# Altium PCB OCB Development Board.PcbDoc (part 2 of 2)
Units mil, origin at the board's own origin, x right, y up, seen from the top; angles counter-clockwise.
Board outline 3775 x 3550 mil, 4 copper layers (Top Layer, GND, Power, Bottom Layer), stack 23.712 mil thick; 152 components, 139 nets, 797 pads, 557 vias.
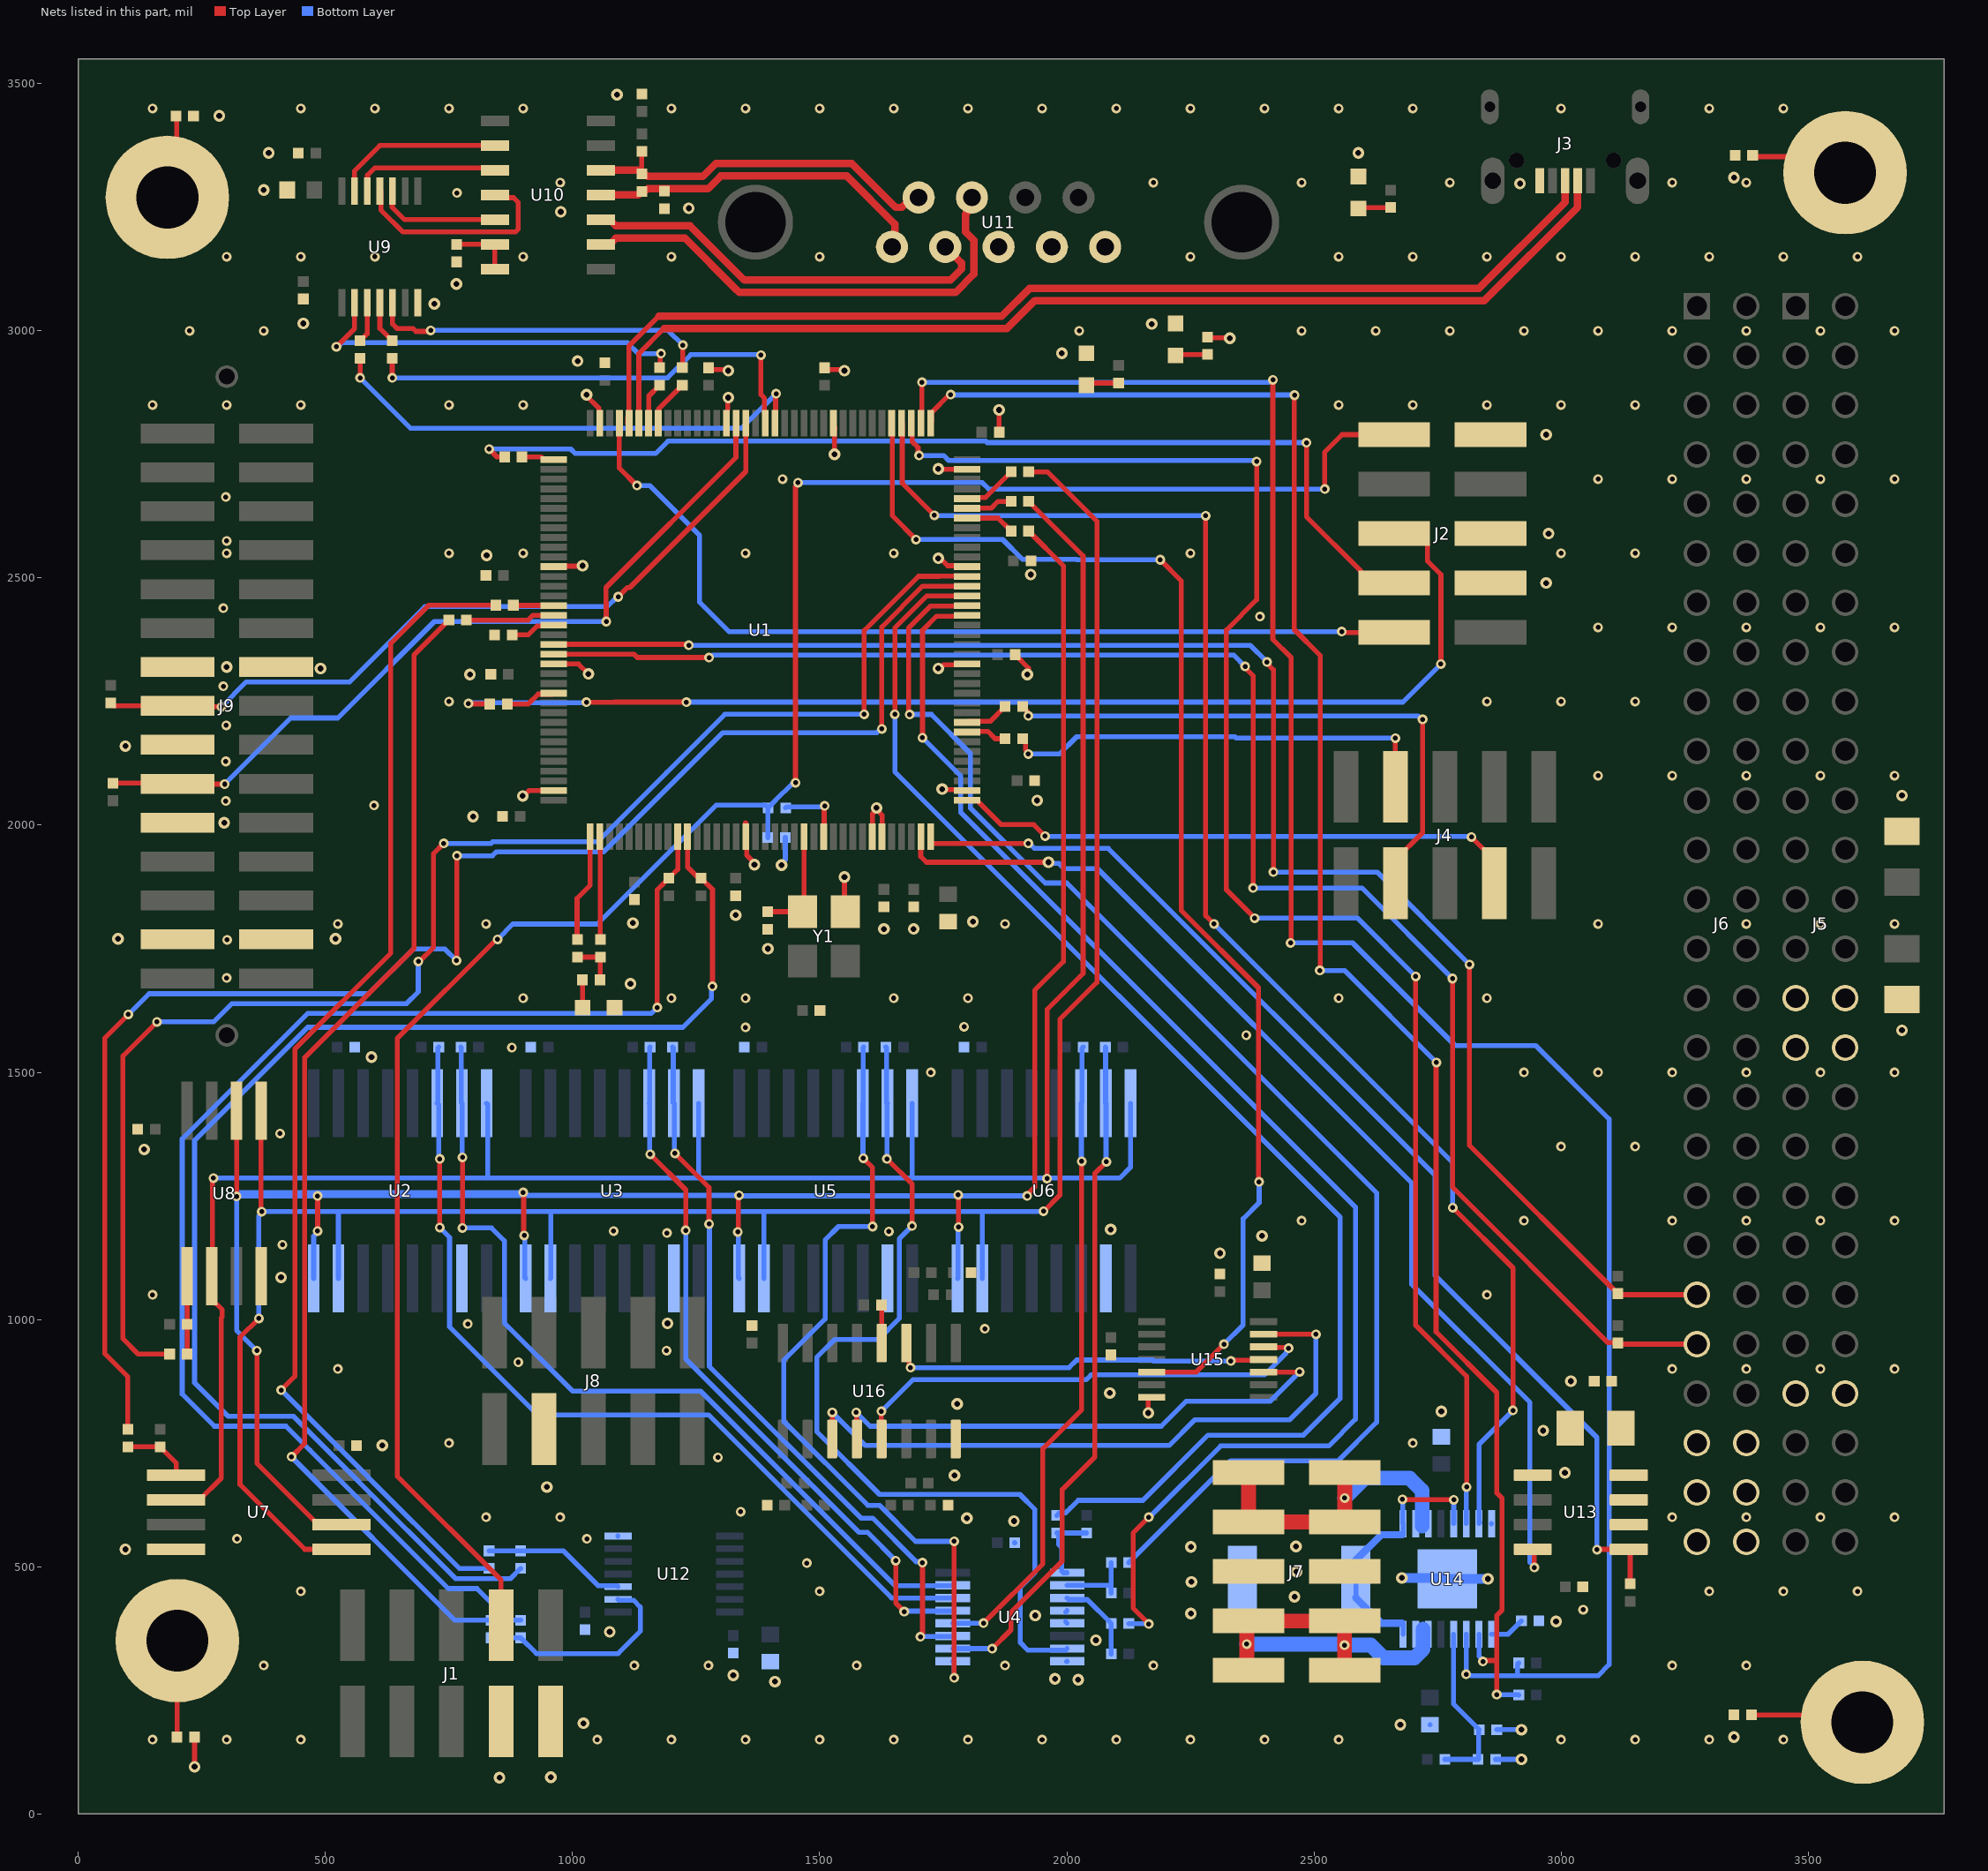
[diagram p4: the nets of this part, all layers, seen from the top]

## Via types
v1: diameter 19.68, hole 9.84, Top Layer to Bottom Layer, tented both sides, 388 vias
v2: diameter 23.62, hole 11.81, Top Layer to Bottom Layer, tented both sides, 165 vias
v3: diameter 19.68, hole 9.84, Top Layer to Bottom Layer, tented top, 3 vias
v4: diameter 19.68, hole 9.84, Top Layer to Bottom Layer, 1 vias

## Nets (pads, with @x,y where several pads share a name; then routed paths per layer and width w, separated by ;. In a path a pad name is that pad's centre, name@x,y a point inside that pad or via, vN(x,y) a via of type N, cw(c..) or ccw(c..) an arc to the next point about the centre after c; other vN are vias at no path point) (continued)
ENCODER_RS422_EN: U1.77 U15.5 | length 2615.9
  Top Layer w10: U1.77@1647,2794 1647,2626 v1(1695,2578) ; U15.5@2171.81,893.41 2261.41,893.41 v1(2318,950) ; v1(2189,2537) 2232,2494 2232,1827 2388,1671 2388,1279.51 v1(2389.19,1278.32)
  Bottom Layer w10: v1(1695,2578) 1870,2578 1910,2538 2019.12,2538 2020.12,2537 v1(2189,2537) ; v1(2318,950) 2356.81,988.81 2356.81,1203.81 2389.19,1236.19 v1(2389.19,1278.32)
GND: C1.1 C2.1 C3.1 C4.1 C5.1 C6.1 C7.1 C8.1 C9.1 C10.1 C11.2 C12.2 C13.2 C14.1 C15.1 C16.1 C17.1 C18.1 C19.1 C20.1 C21.2 C22.2 C23.2 C24.2 C25.2 C26.2 C27.2 C28.2 C29.2 C30.2 C31.1 C32.2 C33.2 C34.1 C36.2 C37.2 C38.2 C39.2 C40.2 C41.2 C42.1 C43.2 C44.2 C45.1 C46.2 D1.C D3.C D4.C D5.C J1.02 J1.04 J2.03 J2.05 J2.09 J3.5 J5.29 J5.30 J5.31 J5.32 J7.05 J7.06 J8.03 J9.13 J9.14 J9.17 J9.21 J9.27 J9.28 R4.1 R5.1 R6.1 R7.1 R11.1 R15.1 R18.1 R23.1 R131.1 R138.2 R142.1 U1.17 U1.30 U1.31 U1.38 U1.51 U1.61 U1.71 U1.83 U1.94 U1.107 U1.120 U1.130 U1.143 U2.10 U3.10 U4.4 U4.5 U4.8 U5.10 U6.10 U7.4 U8.4 U9.7 U11.3 U11.5 U12.7 U13.1 U14.8 U14.EPAD U15.7 U16.8 Y1.2 | length 1481.6
  Top Layer w10: J9.17@197.87,2160 J9.17@200.39,2162.52 ; J9.27@199.21,1770 J9.27@200.39,1768.82 ; J9.21@200.39,2005.04 J9.21@200.39,2005.04 ; v2(235,95) R6.1@235,155 ; U8.4@370,1087.68 U8.4@372.68,1085 ; J9.28@400,1768.82 J9.28@401.18,1770 ; J9.14@400,2320 405,2315 J9.14@406.81,2316.81 ; C16.1@824.57,2505 C16.1@824.78,2505.22 ; C18.1@857.78,2017.5 C18.1@858.28,2018 ; v2(899,2059) 900.73,2059 911.67,2069.94 934,2069.94 ; U1.120@961.69,2522.95 962.72,2523.98 1018.98,2523.98 v2(1020,2525) ; U1.130@983,2326 1012,2326 v2(1032,2306) ; v2(1028,2871) 1028,2868.43 1053.31,2843.12 1053.31,2815.2 U1.107@1055.2,2813.31 ; C15.1@1064.78,2935.22 C15.1@1065,2935.43 ; v2(1090,3478) v2@1090.72,3478.72 ; C32.2@1139.28,3478.72 C32.2@1140,3479.43 ; C14.1@1275,2925.43 1278.38,2922.06 1312.39,2922.06 v2(1315,2919.45) ; 1313.9,2840 1313.9,2863.9 v2(1315,2865) ; 1350,2005 1350,1998.27 1352.36,1995.91 1352.36,1939.32 1368,1923.69 v2(1368,1920) ; C20.1@1500.22,1624.78 C20.1@1500.43,1625 ; C10.1@1510,2925.43 1513.38,2922.06 1547.39,2922.06 v2(1550,2919.45) ; v2(1530,2750.19) 1530,2800 1530.43,2800.43 U1.83@1530.43,2805 ; v2(1550,1895) 1550,1826.61 Y1.2@1551.61,1825 ; U1.30@1606.38,1976.69 1606.38,2022.69 v2@1615,2031.31 ; v2(1615,2035) v2@1615,2031.31 ; U1.31@1626.06,1976.69 1626.06,2020.25 v2@1615,2031.31 ; v2(1740,2317.03) 1743.69,2317.03 1751.37,2324.71 1769,2324.71 ; v2(1740,2540) 1743.69,2540 1758.84,2524.84 1796.42,2524.84 U1.61@1798.31,2522.95 ; v2(1740,2720.81) 1740,2720 1770,2720 ; v2(1747.96,2072.96) 1749.34,2071.58 1776.73,2071.58 1778.21,2070.1 U1.38@1794.78,2070.1 ; C2.1@1760,1804.88 C2.1@1760.12,1805 ; v2(1863,2840) 1863.22,2839.78 1863.22,2795.22 C9.1@1863.43,2795 ; C7.1@1895.43,2345 1922.39,2318.04 1922.39,2307.2 v2(1920.19,2305) ; C8.1@1927.72,2535 C8.1@1927.86,2534.86 ; v2(2165,810.81) 2165,840.34 2166.89,842.23 U15.7@2171.81,842.23 ; D5.C@2220,3015 D5.C@2230,3025 ; D4.C@2590,3312.48 D4.C@2600.75,3323.23 ; J3.5@2957.24,3286.93 J3.5@2957.24,3303.66 ; C37.2@3018.82,780 C37.2@3018.82,787.87 ; C36.2@3044,459 C36.2@3044.5,458.5 ; v1@3044.5,413.5 v1(3045,413) ; v2(3350,3310) v2@3351.14,3311.14 ; R5.1@3351.14,3353.86 R5.1@3352.28,3355
  Bottom Layer w10: v2@948,658 v2(948,661) ; U12.7@1091.7,561.89 U12.7@1091.81,561.77 ; v2(1409.47,267.23) v2@1409.47,269.91 ; v2(1423,1919) 1423,1922.69 1430.43,1930.12 C19.1@1430.43,1975 ; C24.2@1894.45,548.26 C24.2@1894.72,548 ; U4.5@1997.48,388.47 U4.5@2000.75,385.2 ; U4.4@1997.48,407.53 U4.4@2000.75,410.8 ; U4.8@2000,307.69 U4.8@2000.75,308.43 ; C40.2@2734.88,180 C40.2@2735,179.88 ; U14.EPAD@2768,477 U14.EPAD@2770,475 ; U14.8@2859.28,586.72 U14.8@2859.57,587 ; R138.2@2867.72,110 v2(2920,110) ; C41.2@2870,170 v2(2920,170)
  Bottom Layer w20: v2(2678,477) U14.EPAD@2768,477 ; U14.EPAD@2770,475 v2(2852,475)
  other v1: 150,150 300,150 450,150 1050,150 1200,150 1350,150 1500,150 1650,150 1800,150 1950,150 2100,150 2250,150 2400,150 2550,150 3000,150 3150,150 3300,150 3450,150 375,300 1125,300 1275,300 1575,300 1875,300 2175,300 3225,300 3375,300 450,450 1500,450 3300,450 3450,450 3600,450 1474,507 321,556 1029,556 825,600 975,600 3225,600 3375,600 3525,600 3675,600 1340,611 1294,721 750,750 2700,750 525,900 3225,900 3375,900 3525,900 3675,900 889.98,913.46 1190,937 1834,981 788,991 150,1050 2850,1050 413,1151 1191,1175 1640,1178 1083,1179 2475,1200 2925,1200 3225,1200 3375,1200 3525,1200 3675,1200 3000,1350 3150,1350 408,1376 1725,1500 2925,1500 3075,1500 3225,1500 3375,1500 3525,1500 3675,1500 877,1550 2363,1575 1350,1591 1792,1592 900,1650 1200,1650 1350,1650 1650,1650 1800,1650 2550,1650 2850,1650 300,1691 301,1768 525,1800 825,1800 1875,1800 3075,1800 3375,1800 3525,1800 3675,1800 598,2040 298,2049 3075,2100 3225,2100 3375,2100 3525,2100 3675,2100 298,2129 299,2202 750,2250 2850,2250 3000,2250 3150,2250 293,2281 3075,2400 3225,2400 3375,2400 3525,2400 3675,2400 2390.98,2422.03 293,2439 300,2550 750,2550 900,2550 1350,2550 1650,2550 2250,2550 3000,2550 3150,2550 300,2575 298,2664 1425,2700 3075,2700 3225,2700 3375,2700 3525,2700 3675,2700 150,2850 300,2850 450,2850 750,2850 900,2850 2550,2850 2700,2850 2850,2850 3000,2850 3150,2850 225,3000 375,3000 2025,3000 2475,3000 2625,3000 2775,3000 2925,3000 3075,3000 3225,3000 3375,3000 3525,3000 3675,3000 300,3150 450,3150 600,3150 900,3150 1200,3150 1500,3150 2250,3150 2550,3150 2700,3150 2850,3150 3000,3150 3150,3150 3300,3150 3450,3150 3600,3150 766,3279 975,3300 2175,3300 2475,3300 2775,3300 3225,3300 3375,3300 150,3450 450,3450 600,3450 750,3450 900,3450 1200,3450 1350,3450 1500,3450 1650,3450 1800,3450 1950,3450 2100,3450 2250,3450 2400,3450 2550,3450 2700,3450 3000,3450 3300,3450 3450,3450
  other v2: 852,73 955.78,73.88 3350,155 2675,180 1022,183 2023,271 1976,273 1325,280 2059,351 1075,368 2990,389 1936,401 2251,405 2460.85,439.13 2252,469 2465,490 95,535 2251,540 2463.78,540.88 1893,592 1797.78,597.88 1772.86,684.36 3008,690 615,745 2964,775 2758,814 1778,829 2087,851.19 3020,875 1192,992 410,1085 2310,1134 2395,1169 2089,1182 133,1344 593,1531 3690,1585 1117,1679 1395,1750 80,1770 520,1770 1630,1790 1690,1790 1122,1802 1810,1805 1330,1818 295,2005 798.5,2017.5 1940,2050 3690,2060 95,2160 792.28,2305 490,2316.81 300,2320 2970,2490 1927,2507 826,2546 2975,2590 2970,2790 1010,2939 1990,2955 2172,3014 455,3015 720,3055 765,3095 976,3241 1235,3248 375,3285 2917,3298 385,3360 2590,3360 285,3435
GPS_3V3: C37.1 C38.1 J6.47 J6.48 U13.6 U13.7 U13.8
GPS_PPS: J4.07 U1.37 | length 1145.2
  Top Layer w10: U1.37@1817.43,2051.07 1867.5,2001 1933,2001 v1(1956,1978) ; v1(2819,1976) 2865,1930 J4.07@2865,1882.56
  Bottom Layer w10: v1(1956,1978) 1957,1977 2818,1977 v1(2819,1976)
GPS_PWR_NEN: U1.35 U13.4 | length 2200.5
  Top Layer w10: U1.35@1704.49,1950.87 1704.49,1936.51 1716,1925 v2(1963,1925) ; U13.4@2942.76,535 2946,531.76 v1(2946,498)
  Bottom Layer w10: v2(1963,1925) 1965.61,1922.39 1984.42,1922.39 1994.81,1912 2062,1912 2698,1276 2698,1071 2937.11,831.89 2937.11,508.7 2946,499.81 v1(2946,498)
GPS_PWR_NOC: R137.2 U1.36 U13.5 | length 2340.5
  Top Layer w10: U1.36@1724.49,1976.69 1724.49,1964.89 1726.38,1963 v1(1922,1963) ; v1(3072.73,534.27) 3073.46,535 U13.5@3137.24,535 3140,532.24 R137.2@3140,465
  Bottom Layer w10: v1(1922,1963) 1924.62,1963 1934.67,1952.95 2084.05,1952.95 2745,1292 2745,1089 3072.73,761.27 v1(3072.73,534.27)
I2C1_SCL: J6.43 R91.1 U1.129 | length 3381.4
  Top Layer w10: U1.129@974.72,2346 1123.98,2346 1130.82,2339.16 v1(1276,2339.16) ; v1(2361,2321) 2361,2318.38 2377,2302.38 v1(2377,1873) ; v1(2780.43,1689.72) 2780.43,1267.57 3095.03,952.97 3114.31,952.97 R91.1@3115,952.28 ; R91.1@3115.43,950 J6.43@3275,950
  Bottom Layer w10: v1(1276,2339.16) 1278.62,2339.16 1283.31,2343.84 1728.89,2343.84 2338.16,2343.84 v1(2361,2321) ; v1(2377,1873) 2597.15,1873 v1(2780.43,1689.72)
I2C1_SDA: J6.41 R92.2 U1.128 | length 3313
  Top Layer w10: U1.128@961.69,2365.47 962.22,2366 1230.38,2366 1232.38,2364 v1(1235,2364) ; v1(2405,2330) 2405,2327.38 2418,2314.38 v1(2418,1905) ; v1(2815,1718) 2815,1351.92 3101.24,1065.68 3101.61,1065.68 R92.2@3115,1052.28 ; R92.2@3115.43,1050 J6.41@3275,1050
  Bottom Layer w10: v1(1235,2364) 2371,2364 v1(2405,2330) ; v1(2418,1905) 2628,1905 v1(2815,1718)
I2C2_SCL: R19.2 R148.2 U1.11 | length 2808.8
  Top Layer w10: 1232.68,1950 1232.68,1915.04 R19.2@1255,1892.72 ; R19.2@1260,1892.72 1273.39,1879.32 1273.76,1879.32 1283,1870.08 v1(1283,1674)
  Bottom Layer w10: R148.2@895,496.28 874.17,475.46 763.34,475.46 567.19,671.61 567.19,671.94 435.13,804 303,804 235,872 235,1362 464,1591 1223,1591 1281.16,1649.16 1281.16,1672.16 v1(1283,1674)
I2C2_SDA: R20.1 R145.2 U1.10 | length 2825.1
  Top Layer w10: v1(1171.27,1631.19) 1171.27,1869.34 1181.24,1879.32 1181.61,1879.32 R20.1@1195,1892.72 1212.68,1910.39 U1.10@1212.68,1976.69
  Bottom Layer w10: R145.2@895,391.28 870.8,391.28 806.62,455.46 748.54,455.46 468,736 420,784 275,784 210,849 210,1365.28 463.72,1619 1159.07,1619 v1(1171.27,1631.19)
I2C3_SCL: J9.15 R96.1 U1.92 | length 1583.8
  Top Layer w10: R96.1@65,2247.28 71.02,2241.26 J9.15@200.39,2241.26 202.33,2239.33 v1(289.09,2239.33) ; v1(1092.25,2462) 1110.98,2480.73 1115.73,2480.73 1350.47,2715.47 U1.92@1350.47,2813.31
  Bottom Layer w10: v1(289.09,2239.33) 339.76,2290 549,2290 701,2442 1070.05,2442 1090.05,2462 v1(1092.25,2462)
I2C3_SDA: J9.19 R97.2 U1.93 | length 1617.3
  Top Layer w10: R97.2@70,2085 199.17,2085 J9.19@200.39,2083.78 201.17,2083 v1(296,2083) ; v1(1068,2412) 1068,2448.29 1067.41,2448.88 1067.41,2480.7 1330.47,2743.76 1330.47,2785
  Bottom Layer w10: v1(296,2083) 429.87,2216.87 525,2216.87 720.13,2412 v1(1068,2412)
MOTOR_1: J7.01 J7.02 J7.03 J7.04 U14.2 U14.3 | length 650.6
  Top Layer w30: J7.01@2367.56,690 J7.03@2367.56,590 J7.04@2562.44,590 2562.32,590.12 v1(2562.32,638.74) ; v1@2562.44,638.74 J7.02@2562.44,690
  Bottom Layer w30: v1(2562.32,638.74) 2602.59,679 2694,679 2719,654 2719,582
MOTOR_2: J7.07 J7.08 J7.09 J7.10 U14.14 U14.15 | length 811.2
  Top Layer w30: J7.09@2367.56,290 2364,293.56 v1(2364,343) 2364,386.44 J7.07@2367.56,390 J7.08@2562.44,390 2562,389.56 v1(2562,341) 2562,290.44 J7.10@2562.44,290
  Bottom Layer w30: v1(2364,343) v1@2560,343 ; v1(2562,341) 2615,341 2640.56,315.44 2703.43,315.44 2721,333.01 2721,373.17
MOTOR_DIR: U1.76 U14.7 | length 3091.2
  Top Layer w10: U1.76@1665.43,2813.31 1667,2811.74 1667,2692 v1(1732,2627) ; v1(2281,2626) 2281,1817 v1(2298,1800) ; v1(2781,1226) 2903,1104 v1(2903,816)
  Bottom Layer w10: v1(1732,2627) 1732.5,2626.5 2280.5,2626.5 v1(2281,2626) ; v1(2298,1800) 2781,1317 v1(2781,1226) ; U14.7@2835.87,588.89 U14.7@2833.98,587 2833.98,746.98 v1(2903,816)
MOTOR_NEN: R140.2 U1.74 U14.11 | length 4232.7
  Top Layer w10: U1.74@1703,2836 1707,2840 v1(1707,2896) ; v1(2417,2901) 2417,2376 2454,2339 2454,1763 v1(2453,1762)
  Bottom Layer w10: v1(1707,2896) 2409.38,2896 2414.38,2901 v1(2417,2901) ; v1(2453,1762) 2578,1762 2786,1554 2949,1554 3097.57,1405.43 3097.57,301.57 3075,279 2912,279 ; v1(2808,282) 2809.85,280.15 2816.7,280.15 2817.85,279 2912,279 ; v1@2808.19,282.19 2808.19,362.81 U14.11@2808.39,363 ; R140.2@2914.57,305 2912,302.43 2912,279
MOTOR_NFAULT: R141.2 U1.73 U14.10 | length 3744.5
  Top Layer w10: U1.73@1724.49,2813.31 1726.38,2815.2 1726.38,2834.88 1762.5,2871 v1(1765,2871) ; v1(2461,2870) 2460.16,2869.16 2460.16,2395.84 2513,2343 2513,1707 v1(2512,1706) ; v1(2748,1520) 2747.32,1519.32 2747.32,974.92 2870,852.24 2870,649 2880.81,638.19 2880.81,411.81 2870,401 2870,313 ; v1(2842,308) 2843.84,309.84 2866.84,309.84 2870,313 ; v1(2870,241) 2870,313
  Bottom Layer w10: v1(1765,2871) 1765.5,2870.5 2460.5,2870.5 v1(2461,2870) ; v1(2512,1706) 2562,1706 v1(2748,1520) ; U14.10@2833.98,363 2833.98,318.64 2842,310.62 v1(2842,308) ; v1(2870,241) 2870.5,240.5 2914.07,240.5 R141.2@2914.57,240
MOTOR_PWM: U1.75 U14.6 | length 3229.6
  Top Layer w10: 1687,2786 1687,2776 1699.15,2763.85 1699.15,2749.85 v1(1701,2748) ; v1(2380,1812) 2322.84,1869.16 2322.84,2394.84 2384,2456 v1(2384,2736) ; v1(2706,1694) 2706,987.95 2809,884.95 v1(2809,661)
  Bottom Layer w10: v1(1701,2748) 1750.8,2748 1760.96,2737.84 2382.16,2737.84 v1(2384,2736) ; v1(2380,1812) 2588,1812 v1(2706,1694) ; U14.6@2808.39,587 2808.39,660.39 v1(2809,661)
MPI_RX_N: R11.2 R130.1 U10.11 U11.9 | length 699.8
  Top Layer w15: U10.11@1057.25,3275 1132.72,3275 R130.1@1140,3282.28 1143.33,3285.61 1149.98,3285.61 1151.87,3287.5 1185,3287.5 1273.86,3287.5 1299.86,3313.5 1554.87,3313.5 1652.15,3216.21 1652.15,3175.97 U11.9@1646.18,3170
MPI_RX_NEN: R46.2 U9.3 | length 82.8
  Top Layer w10: R46.2@570,2980 584.41,2994.41 U9.3@584.41,3056.81
MPI_RX_P: R8.1 R130.2 U10.12 U11.8 | length 749.2
  Top Layer w10: R130.2@1140,3317.72 R8.1@1140,3363
  Top Layer w15: U10.12@1057.25,3325 1132.72,3325 R130.2@1140,3317.72 1143.33,3314.39 1149.98,3314.39 1151.87,3312.5 1263.51,3312.5 1289.51,3338.5 1565.22,3338.5 1653.9,3249.82 1666.4,3249.82 1686.59,3270 U11.8@1700.12,3270
MPI_TX_EN: R43.2 U9.4 | length 87.2
  Top Layer w10: U9.4@610,3056.81 610,3005 R43.2@635,2980
MPI_TX_N: U10.10 U11.7 | length 848.8
  Top Layer w15: U10.10@1057.25,3225 1075.5,3225 1078.5,3222 1078.5,3221.29 1087.29,3212.5 1237.86,3212.5 1347.68,3102.68 1764.51,3102.68 1786.93,3125.09 1786.93,3137.52 1754.45,3170 U11.7@1754.06,3170
MPI_TX_P: U10.9 U11.6 | length 989
  Top Layer w15: U10.9@1057.25,3175 1075.5,3175 1078.5,3178 1078.5,3178.71 1087.29,3187.5 1227.5,3187.5 1330,3085 1337.32,3077.68 1774.87,3077.68 1811.93,3114.74 1811.93,3183.46 1794.77,3200.62 1794.77,3236.21 1798.43,3239.87 1798.43,3260.43 U11.6@1807.99,3270
Net*1_1: *1.1 R4.2 | length 186.1
  Top Layer w10: R4.2@197.28,3435 198.64,3433.64 198.64,3251.36 *1.1@200,3250
Net*2_1: *2.1 R5.2 | length 189.4
  Top Layer w10: R5.2@3387.72,3355 3390.22,3352.5 3572.5,3352.5 *2.1@3575,3350
Net*3_1: *3.1 R6.2 | length 195.2
  Top Layer w10: R6.2@199.57,155 199.78,155.22 199.78,349.78 *3.1@200,350
Net*4_1: *4.1 R7.2 | length 189.6
  Top Layer w10: R7.2@3385.43,200 *4.1@3575,200
NetC41_1: C41.1 R138.1 R139.1 U14.12 | length 342.7
  Bottom Layer w10: R139.1@2765,110 R138.1@2832.28,110 2833.43,111.14 2833.43,168.86 C41.1@2834.57,170 2782.8,221.77 U14.12@2782.8,363
NetC42_2: C42.2 U14.9 | length 71.6
  Bottom Layer w10: U14.9@2859.57,363 2893,363 C42.2@2920,390
NetD1_A: D1.A R1.2 | length 56
  Top Layer w10: R1.2@1020,1687 D1.A@1020.04,1631 D1.A@1020.04,1631
NetD3_A: D3.A R134.2 | length 66.9
  Top Layer w10: D3.A@2040,2890.04 2044.53,2894.57 R134.2@2105,2894.57
NetD4_A: D4.A R135.2 | length 65.8
  Top Layer w10: D4.A@2590,3247.52 2592.05,3249.57 R135.2@2655,3249.57
NetD5_A: D5.A R136.1 | length 65.9
  Top Layer w10: D5.A@2220,2950.04 2222.24,2952.28 R136.1@2285,2952.28
NetR1_1: R1.1 R2.1 R3.1 | length 92.2
  Top Layer w10: R2.1@1010,1733 R3.1@1056,1733 1055.72,1732.72 1055.72,1687.28 R1.1@1055.43,1687
NetR2_2: R2.2 U1.1 | length 233
  Top Layer w10: R2.2@1010,1768.43 1009,1769.43 1009,1852 1035.51,1878.51 U1.1@1035.51,1976.69 ; U1.1@1035.2,1956.69 U1.1@1035.2,1970
NetR3_2: R3.2 U1.2 | length 186.6
  Top Layer w10: R3.2@1056,1768.43 U1.2@1056,1955
NetR9_2: R9.2 U1.68 | length 111.4
  Top Layer w10: U1.68@1798.31,2660.75 1800.2,2662.64 1834.92,2662.64 R9.2@1887.28,2715
NetR10_2: R10.2 U1.67 | length 73.4
  Top Layer w10: U1.67@1820,2642.64 1821.26,2641.38 1847.11,2641.38 1860.73,2655 R10.2@1887.28,2655
NetR12_2: R12.2 U1.66 | length 99.9
  Top Layer w10: U1.66@1798.31,2621.38 1860.91,2621.38 R12.2@1887.28,2595
NetR22_1: R22.1 U1.60 | length 3016.4
  Top Layer w10: v1(159,1602) 90,1533 90,961 121,930 R22.1@184.57,930 ; v1(687.66,1724.51) 690.28,1724.51 718.58,1752.8 718.58,1942.58 v1(739,1963) ; v1(1590,2224.16) 1590,2393.85 1699.73,2503.58 1741.31,2503.58 1741.73,2504 U1.60@1778,2504
  Bottom Layer w10: v1(159,1602) 273.69,1602 310.69,1639 663.98,1639 687.66,1662.68 v1(687.66,1724.51) ; v1(739,1963) 834.45,1963 837.72,1966.27 1050.27,1966.27 1190.14,2106.14 1308.16,2224.16 v1(1590,2224.16)
NetR24_1: R24.1 U1.59 | length 3198.9
  Top Layer w10: R24.1@100,777.72 100,884 53,931 53,1569 v1(101,1617) ; v1(765,1726) 765.5,1726.5 765.5,1937.66 v1(766,1938.16) ; v1(1625.6,2194.65) 1625.6,2401.17 1708.01,2483.58 U1.59@1798.31,2483.58
  Bottom Layer w10: v1(101,1617) 143,1659 587.02,1659 677.37,1749.35 741.65,1749.35 v1(765,1726) ; v1(766,1938.16) 837.89,1938.16 846,1946.27 1062.98,1946.27 1303.72,2187 1615.34,2187 1622.98,2194.65 v1(1625.6,2194.65)
NetR26_1: R26.1 U1.58 | length 2752
  Top Layer w10: v1(1652,2224.16) 1652,2399.28 1716.3,2463.58 U1.58@1773.9,2463.58
  Bottom Layer w10: v1(1652,2224.16) 1652,2108 2553,1207 2553,840 2479,766 2286,766 2154,634 2023,634 2008,619 1997.65,608.65 1985.22,608.65 R26.1@1980,603.43
NetR27_1: R27.1 U1.57 | length 2806.7
  Top Layer w10: v1(1682,2224) 1680.15,2225.85 1680.15,2232.7 1680,2232.85 1680,2399 1724.58,2443.58 1797.68,2443.58 U1.57@1798.31,2444.21
  Bottom Layer w10: v1(1682,2224) 1726,2224 1805,2145 1805,2034.57 1956.57,1883 2000,1883 2627,1256 2627,792 2549,714 2331.43,714 R27.1@2125.43,508
NetR28_1: R28.1 U1.56 | length 2821.2
  Top Layer w10: v1(1708,2177) 1708,2394.14 1736.86,2423 U1.56@1774.86,2423 ; v1(2166,384) 2134,416 2134,568 v1(2166,600)
  Bottom Layer w10: v1(1708,2177) 1785,2100 1785,2026.28 2584,1227.28 2584,798 2530,744 2311.35,744 2167.35,600 v1(2166,600) ; R28.1@2125.43,384.67 2125.77,384.33 2165.67,384.33 v1(2166,384)
NetR40_2: R40.2 U1.25 | length 143.8
  Top Layer w10: U1.25@1507.95,1976.69 1508.98,1977.72 1508.98,2037.98 v1(1510,2039)
  Bottom Layer w10: R40.2@1431,2035 1433.15,2037.15 1508.15,2037.15 v1(1510,2039)
NetR43_1: R43.1 U1.90 | length 927.3
  Top Layer w10: v1(635,2905) R43.1@635,2944.57 ; v1(1381,2951) 1381,2871 1388,2864 U1.90@1388,2832
  Bottom Layer w10: v1(635,2905) 1192.13,2905 1239.13,2952 1380,2952 v1(1381,2951)
NetR46_1: R46.1 U1.89 | length 1013.4
  Top Layer w10: v1(570,2905) R46.1@570,2944.57 ; U1.89@1409.53,2813.31 1410.76,2814.54 1410.76,2871.76 v1(1412,2873)
  Bottom Layer w10: v1(570,2905) 671.81,2803.19 1342.19,2803.19 v1(1412,2873)
NetR48_2: R48.2 U1.45 | length 90
  Top Layer w10: U1.45@1798.31,2207.99 1800.2,2209.88 1834.88,2209.88 1835,2210 1845,2210 R48.2@1875,2240
NetR50_2: R50.2 U1.44 | length 56.2
  Top Layer w10: 1825,2189.88 1840.12,2189.88 1855,2175 R50.2@1875,2175
NetR78_1: R78.1 U1.133 | length 103.1
  Top Layer w10: R78.1@867.72,2245 910,2245 930.16,2265.16 959.8,2265.16 U1.133@961.69,2267.05
NetR90_2: R90.2 U1.126 | length 92.2
  Top Layer w10: R90.2@877.72,2385 910,2385 927.95,2402.95 959.8,2402.95 U1.126@961.69,2404.84
NetR93_2: R93.2 U1.125 | length 154
  Top Layer w10: R93.2@785,2415 910,2415 919.61,2424.61 935,2424.61
NetR94_2: R94.2 U1.124 | length 82
  Top Layer w10: R94.2@880,2445 880.39,2444.61 961.3,2444.61 U1.124@961.69,2444.21
NetR107_1: R107.1 U1.101 | length 70.2
  Top Layer w10: 1174,2840 1174,2842.28 R107.1@1222,2890.28
NetR109_1: R109.1 U1.102 | length 86.2
  Top Layer w10: U1.102@1153.62,2813.31 1154,2813.69 1154,2868.28 R109.1@1176,2890.28
NetR116_1: R116.1 U1.109 | length 66.3
  Top Layer w10: R116.1@897.72,2745 936.5,2745 942.01,2739.49 U1.109@961.69,2739.49
NetR131_2: R131.2 U10.6 U10.7 | length 127.8
  Top Layer w10: R131.2@765,3175 U10.6@842.75,3175 U10.7@842.75,3125
NetR142_2: R142.2 U14.1 U14.5 U14.16 | length 554.5
  Top Layer w10: v1(2679,636) 2679.5,635.5 2782.5,635.5 v1(2783,635)
  Bottom Layer w10: R142.2@2585,437.01 R142.2@2585,475 R142.2@2585,512.99 ; U14.16@2678.54,385.56 2680.43,383.67 U14.16@2680.43,363 ; U14.1@2678.54,564.44 2680.43,566.33 U14.1@2680.43,587 2679.72,587.72 2679.72,635.28 v1(2679,636) ; U14.5@2782.8,587 2782.9,587.1 2782.9,634.9 v1(2783,635)
  Bottom Layer w15: R142.2@2585,437.01 2636.45,385.56 U14.16@2678.54,385.56 ; R142.2@2585,512.99 2636.45,564.44 U14.1@2678.54,564.44
NetR145_1: R145.1 R147.2 U12.2 | length 434.6
  Bottom Layer w10: R147.2@835,355.85 R145.1@895,355.85 926.85,324 1092,324 1137,369 1137,418 1123.07,431.93 1093.7,431.93 U12.2@1091.81,433.82
NetR148_1: R148.1 R150.2 U12.3 | length 290.8
  Bottom Layer w10: R150.2@831,531.72 R148.1@895,531.72 981.2,531.72 1051.62,461.3 1089.92,461.3 U12.3@1091.81,459.41
NetR149_1: R149.1 U16.12 | length 77
  Top Layer w10: U16.12@1625.16,952.26 R149.1@1625.16,1028.84
  Top Layer w15: R149.1@1625,1029 R149.1@1625.16,1028.84 ; U16.12@1625.16,952.26 U16.12@1625.32,952.09
NetU9_10: U9.10 U10.5 | length 251.5
  Top Layer w10: U9.10@635.59,3283.19 635,3282.6 635,3250 660,3225 U10.5@842.75,3225
NetU9_11: U9.11 U10.4 | length 445.9
  Top Layer w10: U9.11@610,3283.19 611.89,3281.3 611.89,3244.83 656.72,3200 884.14,3200 890,3205.86 890,3260 880.5,3269.5 848.25,3269.5 U10.4@842.75,3275
NetU9_12: U9.12 U10.3 | length 298.1
  Top Layer w10: U9.12@584.41,3283.19 585,3283.78 585,3315 600,3330 837.75,3330 U10.3@842.75,3325
NetU9_13: U9.13 U10.2 | length 345.8
  Top Layer w10: U9.13@558.82,3283.19 558.82,3323.82 610,3375 U10.2@842.75,3375
NetU15_10: U15.10 U16.4 | length 1081.8
  Top Layer w10: v1(1574,812) 1574.66,811.34 1574.66,758.66 U16.4@1575.32,758 ; U15.10@2398.19,893.41 2398.48,893.7 2470.7,893.7 v1(2471,894)
  Bottom Layer w10: v1(1574,812) 1602,784 2191,784 2241.19,834.19 2411.19,834.19 v1(2471,894)
NetU15_11: U15.11 U16.11 | length 776
  Top Layer w10: U16.11@1675.32,952.09 1680.76,946.66 1680.76,908 1683.56,905.2 v1(1683.56,902.58) ; v1(2332,916) 2333.5,917.5 2396.69,917.5 U15.11@2398.19,919
  Bottom Layer w10: v1(1683.56,902.58) 2004.57,902.58 2019.99,918 2173.68,918 2175.68,916 v1(2332,916)
NetU15_12: U15.12 U16.5 | length 988.4
  Top Layer w10: v1(1624.71,814.16) 1624.71,758.62 U16.5@1625.32,758 ; U15.12@2398.19,944.59 2399.48,943.3 2447.7,943.3 v1(2449,942)
  Bottom Layer w10: v1(1624.71,814.16) 1688.55,878 2039.23,878 2049.04,887.81 2399.73,887.81 2444.16,932.24 2444.16,934.54 2449,939.38 v1(2449,942)
NetU15_13: U15.13 U16.3 | length 1329.5
  Top Layer w10: U16.3@1525.32,758 1525.32,811.75 v1(1525.49,811.91) ; U15.13@2398.19,970.18 2398.28,970.09 2503.91,970.09 v1(2504,970)
  Bottom Layer w10: v1(1525.49,811.91) 1592.41,745 2207,745 2259,797 2450.92,797 2504,850.08 v1(2504,970)
NRST: C19.2 J1.03 J2.10 R40.1 | length 4269.8
  Top Layer w10: v1(848,1769) 845.72,1769 645,1568.28 645,683 855,473 J1.03@855,381.44 ; v1(1451,2086) 1451,2685.38 1456,2690.38 v1(1456,2693) ; v1(2522,2680) 2522,2755 2557,2790 J2.10@2662.56,2790
  Bottom Layer w10: v1(848,1769) 879,1800 1050,1800 1290.83,2040.83 1389.74,2040.83 1395.22,2035.35 1395.22,1975.22 C19.2@1395,1975 ; R40.1@1395.57,2035 1410.17,2049.61 1410.17,2049.97 1444.35,2084.15 1449.15,2084.15 v1(1451,2086) ; v1(1456,2693) 1828.97,2693 1841.97,2680 v1(2522,2680)
OSC_IN: C21.1 U1.23 Y1.3 | length 223.2
  Top Layer w10: C21.1@1395,1825 Y1.3@1465,1825 1468.58,1828.58 U1.23@1468.58,1976.69
PS_OUT2: J6.49
PS_OUT3: J6.51
PS_OUT5: J6.50
PS_OUT6: J6.52
SPI1_MISO: R10.1 U2.8 U3.8 U5.8 U6.8 U7.2 U8.2 | length 4624.8
  Top Layer w10: U7.2@197.68,635 244.92,635 289.09,679.17 289.09,1003.22 290.95,1005.09 290.95,1019.48 270,1040.43 U8.2@270,1087.68 271.46,1089.14 271.46,1284.61 v1(272.93,1286.07) ; R10.1@1922.72,2655 1928.54,2649.17 2033,2544.72 2033,1700 1960,1627 v1(1960,1285)
  Bottom Layer w10: v1(272.93,1286.07) 2025.34,1286.07 2107.07,1286.07 2129,1308 U6.8@2129,1437.33 ; U2.8@826,1437.33 828,1435.33 828,1286.07 ; U3.8@1255,1437.33 1255,1291.07 1260,1286.07 ; U5.8@1687,1437.33 1687,1287.07 1688,1286.07
SPI1_MOSI: R9.1 U2.15 U3.15 U5.15 U6.15 U7.5 U8.5 | length 4779.4
  Top Layer w10: v1(365,1002) 327,964 327,666 458,535 U7.5@532.32,535 ; U8.5@370,1422.32 369.5,1421.82 369.5,1219.36 v1(370.86,1218) ; R9.1@1922.72,2715 1961,2715 2061,2615 2061,1682 1986,1607 1986,1251.45 1953.55,1219 v1(1953,1219)
  Bottom Layer w10: v1(365,1002) 365,1209.52 370.86,1215.38 v1(370.86,1218) 526,1218 ; U2.15@526,1083 526,1218 ; U3.15@955,1083 956,1084 956,1218 ; U5.15@1387,1083 1387,1217 1386,1218 ; U6.15@1829,1083 1829,1216 1827,1218 ; v1@1953,1218 1827,1218 ; 526,1218 956,1218 ; 956,1218 1386,1218 ; 1386,1218 1827,1218
SPI1_SCLK: R12.1 U2.16 U3.16 U5.16 U6.16 U7.6 U8.6 | length 5400.4
  Top Layer w10: v1(320,1249) U8.6@320,1422.32 ; v3(361,937) 361,709.08 485.08,585 U7.6@532.32,585 ; v1(484,1179) v1(484,1250) ; v1(900,1257) 901,1256 901,1171 v1(902,1170) ; v1(1334,1177) 1335.5,1178.5 1335.5,1249.5 v1(1337,1251) ; v1(1780,1252) 1780.5,1251.5 1780.5,1187.5 v1(1781,1187) ; v1(1920,1250) 1920,1252.62 1935.16,1267.78 1935.16,1666.16 1993,1724 1993,2524.72 R12.1@1922.72,2595
  Bottom Layer w10: v1@319,1250 v1(320,1249) 320,978 v3(361,937) ; U2.16@476,1083 476,1168.38 484,1176.38 v1(484,1179) ; v1(484,1250) v1@317.86,1250 ; v1(900,1257) 324.86,1257 v1@317.86,1250 ; v1(902,1170) 903.5,1168.5 903.5,1084.5 U3.16@905,1083 ; v1(1334,1177) 1335.5,1175.5 1335.5,1084.5 U5.16@1337,1083 ; v1@1337,1250 v1@1780,1250 ; v1(1337,1251) 318.86,1251 v1@317.86,1250 ; U6.16@1779,1083 1780,1084 1780,1186 v1(1781,1187) ; v1(1780,1252) 1782,1250 v1(1920,1250)
SPI3_MISO: R93.1 R147.1 | length 2365.9
  Top Layer w10: v3(431,722) 458,749 458,1529.98 679.16,1751.14 679.16,2344.59 R93.1@749.57,2415
  Bottom Layer w10: v3(431,722) 761.72,391.28 R147.1@835,391.28
SPI3_MOSI: R90.1
SPI3_SCLK: R94.1 R150.1 | length 2418
  Top Layer w10: v3(410,857) 437.9,884.9 437.9,1038.9 438,1039 438,1547 632,1741 632,2368 709,2445 R94.1@844.57,2445
  Bottom Layer w10: v3(410,857) 410.42,857 587.19,680.23 587.19,679.89 770.8,496.28 R150.1@831,496.28
SPI_CS_A0: R26.2 R123.2 U4.1 | length 153.6
  Bottom Layer w10: U4.1@2000.75,487.57 1992.95,487.57 1989.68,490.83 1989.68,538.4 1983.37,544.72 1983.37,564.63 R26.2@1980,568 R123.2@2040,568
SPI_CS_A1: R27.2 R122.2 U4.2 | length 150.9
  Bottom Layer w10: U4.2@2000.75,461.98 2090,461.98 ; R122.2@2090,446.33 2090,461.98 ; R27.2@2090,508 2090,461.98
SPI_CS_A2: R28.2 R121.2 U4.3 | length 172.3
  Bottom Layer w10: U4.3@2000.75,436.39 2004.02,433.12 2041.55,433.12 R28.2@2090,384.67 R121.2@2090,323
SPI_NCS_FLASH_0: R117.2 U2.7 U4.15 | length 1756.8
  Top Layer w10: v1(777,1185) v1(777,1328)
  Bottom Layer w10: R117.2@774,1551 775,1550 775,1438.33 U2.7@776,1437.33 776.5,1436.83 776.5,1328.5 v1(777,1328) ; v1(777,1185) 836,1185 862,1159 862,993 1000,855 1259,855 1652.74,461.26 1768.53,461.26 U4.15@1769.25,461.98
SPI_NCS_FLASH_1: R119.2 U2.6 U4.14 | length 1823.1
  Top Layer w10: v1(731,1186) v1(731,1325)
  Bottom Layer w10: R119.2@729,1551 727.5,1549.5 727.5,1438.83 U2.6@726,1437.33 729.15,1434.18 729.15,1326.85 v1(731,1325) ; v1(731,1186) 751,1166 751,985 929,807 1275,807 1645.61,436.39 U4.14@1769.25,436.39
SPI_NCS_FLASH_2: R120.2 U3.6 U4.13 | length 1465.4
  Top Layer w10: v1(1157,1334) 1229,1262 v1(1229,1180) ; v1(1654,512) 1654,426 v1(1671,409)
  Bottom Layer w10: R120.2@1156.72,1551 1155.86,1550.14 1155.86,1438.19 U3.6@1155,1437.33 1156,1436.33 1156,1335 v1(1157,1334) ; v1(1229,1180) 1229,920 1580,569 1597,569 v1(1654,512) ; v1(1671,409) 1671.9,409.9 1768.35,409.9 U4.13@1769.25,410.8
SPI_NCS_FLASH_3: R118.2 U3.7 U4.11 | length 1490.3
  Top Layer w10: v1(1207,1336) 1276,1267 v1(1276,1193.16) ; v1(1704,358) 1704,360.62 1708,364.62 v1(1708,508)
  Bottom Layer w10: R118.2@1202.28,1551 1203.64,1549.64 1203.64,1438.69 U3.7@1205,1437.33 1206,1436.33 1206,1337 v1(1207,1336) ; v1(1276,1193.16) 1276.81,1192.35 1276.81,904.62 1583.43,598 1607,598 1695.15,509.85 1706.15,509.85 v1(1708,508) ; v1(1704,358) 1704.81,358.81 1768.44,358.81 U4.11@1769.25,359.61
SPI_NCS_FLASH_4: R127.2 U4.12 U6.6 | length 1312.2
  Top Layer w10: v1(1831.43,385.43) 1951.5,505.5 1951.5,738.5 2030,817 v1(2030,1320)
  Bottom Layer w10: U4.12@1769.25,385.2 1769.37,385.32 1831.32,385.32 v1(1831.43,385.43) ; v1(2030,1320) 2029.5,1320.5 2029.5,1436.83 U6.6@2029,1437.33 2031,1439.33 2031,1549 R127.2@2033,1551
SPI_NCS_FLASH_5: R126.2 U4.10 U6.7 | length 1393.3
  Top Layer w10: v1(1849,334) 1887,372 1887,407 1990.6,510.6 1990.6,655.6 2057,722 2057,1296 v1(2080,1319)
  Bottom Layer w10: U4.10@1769.25,334.02 v1(1849,334) ; R126.2@2078,1551 2078.5,1550.5 2078.5,1437.83 U6.7@2079,1437.33 2079.5,1436.83 2079.5,1319.5 v1(2080,1319)
SPI_NCS_FLASH_6: R125.2 U4.9 U5.6 | length 1636.7
  Top Layer w10: v1(1588,1326) 1607,1307 v1(1607,1188) ; v1(1772,275) v1(1772,551)
  Bottom Layer w10: v1(1588,1326) 1587.5,1326.5 1587.5,1436.83 U5.6@1587,1437.33 1587.86,1438.19 1587.86,1550.14 R125.2@1588.72,1551 ; v1(1607,1188) 1538,1188 1511,1161 1511,1001 1427.57,917.57 1427.57,793.43 1597,624 1621,624 1694,551 v1(1772,551) ; U4.9@1769.25,308.43 1772,305.69 v1(1772,275)
SPI_NCS_FLASH_7: R124.2 U4.7 U5.7 | length 1822.7
  Top Layer w10: v1(1636,1325) 1687,1274 v1(1687,1189)
  Bottom Layer w10: R124.2@1634,1551 1635.5,1549.5 1635.5,1438.83 U5.7@1637,1437.33 1636.5,1436.83 1636.5,1325.5 v1(1636,1325) ; v1(1687,1189) 1661,1163 1661,1002 1618.5,959.5 1530.5,959.5 1494,923 1494,773 1621,646 1905,646 1935,616 1935,487 1906,458 1906,346 1921.24,330.76 1997.48,330.76 U4.7@2000.75,334.02
SPI_NCS_FRAM_0: R22.2 R129.2 U8.1 | length 157.7
  Top Layer w10: R22.2@220,930 R129.2@220,990 U8.1@220,1087.68
SPI_NCS_FRAM_1: R24.2 R128.2 U7.1 | length 135.8
  Top Layer w10: R24.2@100,742.28 R128.2@165,742.28 197.68,709.61 U7.1@197.68,685
SWCLK: J2.04 R116.2 | length 2092.7
  Top Layer w10: v1(831,2761) 847,2745 R116.2@862.28,2745 ; v1(2485,2774) 2485,2624 2595.12,2513.88 2595.12,2510 2615.12,2490 J2.04@2662.56,2490
  Bottom Layer w10: v1(831,2761) 996.13,2761 1005.29,2751.84 1167.8,2751.84 1192.96,2777 1836.17,2777 1839.17,2774 v1(2485,2774)
SWDIO: J2.02 U1.105 | length 1862.7
  Top Layer w10: U1.105@1095.03,2800.22 1094.57,2799.76 1094.57,2722.43 v1(1130,2687) ; v1(2556.37,2391.6) 2557.97,2390 J2.02@2662.56,2390
  Bottom Layer w10: v1(1130,2687) 1156,2687 1257,2586 1257,2451 1316.4,2391.6 v1(2556.37,2391.6)
SWO: J2.06 R78.2 | length 2375.9
  Top Layer w10: v1(789,2246) 789.5,2245.5 831.78,2245.5 R78.2@832.28,2245 ; v1(1028,2249) 1028.15,2248.85 1084.7,2248.85 1084.84,2249 v1(1230,2249) ; J2.06@2662.56,2590 2710,2590 2730,2570 2730,2534.14 2757,2507.14 v1(2757,2326)
  Bottom Layer w10: v1(789,2246) 790.5,2247.5 1026.5,2247.5 v1(1028,2249) ; v1(1230,2249) 2680,2249 v1(2757,2326)
USART1_RX: R109.2 U9.2 | length 803
  Top Layer w10: v1(522,2968) 558.82,3004.82 U9.2@558.82,3056.81 ; R109.2@1176,2925.72 1177.5,2927.22 1177.5,2952.5 v1(1179,2954)
  Bottom Layer w10: v1(522,2968) 524.62,2968 532.62,2976 1111,2976 1133,2954 v1(1179,2954)
USART1_TX: R107.2 U9.5 | length 695.2
  Top Layer w10: U9.5@635.59,3056.81 635.59,3014.25 645.23,3004.61 677.39,3004.61 683.01,2998.99 711.15,2998.99 v1(713,3000.84) ; R107.2@1222,2925.72 1222.5,2926.22 1222.5,2970.5 v1(1223,2971)
  Bottom Layer w10: v1(713,3000.84) 713.16,3001 1193,3001 v1(1223,2971)
USART3_RX: J4.03 R48.1 | length 1178.8
  Top Layer w10: R48.1@1910.43,2240 1920.3,2230.13 1920.3,2222.85 v4(1922.16,2221) ; J4.03@2665,1882.56 2665,1930 2720,1985 v1(2720,2214)
  Bottom Layer w10: v4(1922.16,2221) 2710.38,2221 2717.38,2214 v1(2720,2214)
USART3_TX: J4.04 R50.1 | length 893
  Top Layer w10: R50.1@1910.43,2175 1916.26,2169.17 1916.26,2152.52 1922.16,2146.62 v1(1922.16,2144) ; J4.04@2665,2077.44 v1(2665,2176)
  Bottom Layer w10: v1(1922.16,2144) 1985,2144 2020,2179 2339.69,2179 2342.69,2176 v1(2665,2176)
USB_N: J3.2 U1.103 | length 2188
  Top Layer w10: 1133.96,2842 1133.96,2953.96 1185,3005
  Top Layer w15: 1185,3005 1879,3005 1935,3061 2844.51,3061 3033.72,3250.22 3033.72,3303.37 J3.2@3034.02,3303.66
USB_P: J3.3 U1.104 | length 2214.7
  Top Layer w10: U1.104@1113.96,2824.69 1113.96,2969.31 1174.64,3030
  Top Layer w15: U1.104@1113.96,2824.69 1113.96,2813.6 U1.104@1114.25,2813.31 ; 1174.64,3030 1868.64,3030 1924.64,3086 2834.15,3086 3008.72,3260.57 3008.72,3303.37 J3.3@3008.43,3303.66
V_BAT: J5.45 J5.46 R136.2 U11.1 | length 46.1
  Top Layer w10: R136.2@2285,2987.72 2286.36,2986.36 2328.64,2986.36 v2(2330,2985)
pads on no net: J1.05 J1.06 J1.07 J1.08 J1.09 J1.10 J2.07 J2.08 J3. J3.4 J4.01 J4.02 J4.05 J4.06 J4.08 J4.09 J4.10 J5.01 J5.02 J5.03 J5.04 J5.05 J5.06 J5.07 J5.08 J5.09 J5.10 J5.11 J5.12 J5.13 J5.14 J5.15 J5.16 J5.17 J5.18 J5.19 J5.20 J5.21 J5.22 J5.23 J5.24 J5.33 J5.34 J5.35 J5.36 J5.37 J5.38 J5.39 J5.40 J5.41 J5.42 J5.43 J5.44 J5.47 J5.48 J5.49 J5.50 J5.51 J5.52 J6.01 J6.02 J6.03 J6.04 J6.05 J6.06 J6.07 J6.08 J6.09 J6.10 J6.11 J6.12 J6.13 J6.14 J6.15 J6.16 J6.17 J6.18 J6.19 J6.20 J6.21 J6.22 J6.23 J6.24 J6.25 J6.26 J6.27 J6.28 J6.29 J6.30 J6.31 J6.32 J6.33 J6.34 J6.35 J6.36 J6.37 J6.38 J6.39 J6.40 J6.42 J6.44 J6.45 J6.46 J9.S1 J9.S2 U1.7 U1.8 U1.9 U1.12 U1.13 U1.14 U1.15 U1.18 U1.19 U1.20 U1.21 U1.24 U1.26 U1.27 U1.28 U1.29 U1.34 U1.41 U1.43 U1.46 U1.47 U1.48 U1.49 U1.50 U1.53 U1.54 U1.55 U1.63 U1.64 U1.65 U1.69 U1.70 U1.81 U1.82 U1.85 U1.86 U1.87 U1.88 U1.91 U1.100 U1.110 U1.112 U1.114 U1.115 U1.116 U1.118 U1.119 U1.123 U1.127 U1.132 U1.134 U1.136 U2.1 U2.3 U2.4 U2.5 U2.9 U2.11 U2.12 U2.13 U2.14 U3.1 U3.3 U3.4 U3.5 U3.9 U3.11 U3.12 U3.13 U3.14 U5.1 U5.3 U5.4 U5.5 U5.9 U5.11 U5.12 U5.13 U5.14 U6.1 U6.3 U6.4 U6.5 U6.9 U6.11 U6.12 U6.13 U6.14 U7.3 U7.7 U8.3 U8.7 U9.6 U9.9 U10.1 U10.8 U10.13 U11.2 U11.10 U11.11 U12.4 U12.5 U12.6 U12.9 U12.10 U12.11 U15.6 U15.9 U16.13 U16.14 U16.15

## Polygon pours and split planes (outlines as drawn)
GND on Bottom Layer "BOTTOM GND" (solid, pour order 6): 0,0 0,3550 3775,3550 3775,0
5V on Bottom Layer "5V_L04_P004" (solid, pour order 4): 3215,1755 3215,1935 3150,1935 3150,1755
5V on Bottom Layer "5V_L04_P003" (solid, pour order 3): 2875,1755 2875,1600 3215,1600 3215,1755
GND on Top Layer "TOP GND" (solid, pour order 7): 0,0 0,3550 3775,3550 3775,0
GPS_3V3 on Top Layer "GPS_3V3_L01_P005" (solid, pour order 5): 3189.49,801 3424,801 3424,701 3425,700 3190.49,700
GPS_3V3 on Top Layer "GPS_3V3_L01_P000" (solid, pour order 0): 3090,570 3195,570 3195,900 3090,900
3V3 on Power (split plane): 454.9,3325 455.29,3323.05 456.4,3321.4 458.05,3320.29 460,3319.9 1849.9,3319.9 1849.9,3230 1850.29,3228.05 1851.4,3226.4 1853.05,3225.29 1855,3224.9 2014.9,3224.9 2014.9,3145 2015.29,3143.05 2016.4,3141.4 2171.4,2986.4 2246.4,2911.4 2248.05,2910.29 2250,2909.9 2987.89,2909.9 3044.9,2852.89 3044.9,1755.1 2875,1755.1 2873.05,1754.71 2871.4,1753.6 2824.52,1706.73 2823.42,1705.08 2823.03,1703.12 2823.03,1555.24 2780.15,1512.36 2780.15,1512.35 2757.96,1490.17 2713.58,1445.79 2691.4,1423.6 2690.29,1421.95 2689.9,1420 2689.9,1130.1 2400,1130.1 2398.05,1129.71 2396.4,1128.6 2395.29,1126.95 2394.9,1125 2394.9,835.1 1979.6,835.1 1979.6,1140 1979.21,1141.95 1978.1,1143.6 1976.45,1144.71 1974.5,1145.1 750,1145.1 748.05,1144.71 746.4,1143.6 745.29,1141.95 744.9,1140 744.9,827 744.9,635 745.29,633.05 746.4,631.4 748.05,630.29 750,629.9 2585,629.9 2586.95,630.29 2588.6,631.4 2609.11,651.9 2689.9,651.9 2689.9,210 2690.29,208.05 2691.4,206.4 2693.05,205.29 2695,204.9 2835,204.9 2836.95,205.29 2838.6,206.4 2839.71,208.05 2840.1,210 2840.1,1402.89 3044.9,1607.69 3044.9,1200 3045.29,1198.05 3046.4,1196.4 3048.05,1195.29 3050,1194.9 3419.9,1194.9 3419.9,800 3420.29,798.05 3421.4,796.4 3423.05,795.29 3425,794.9 3650,794.9 3651.95,795.29 3653.6,796.4 3654.71,798.05 3655.1,800 3655.1,1400 3654.71,1401.95 3653.6,1403.6 3651.95,1404.71 3650,1405.1 3155.1,1405.1 3155.1,1539.38 3155.1,1594.9 3325,1594.9 3326.95,1595.29 3328.6,1596.4 3329.71,1598.05 3330.1,1600 3330.1,1792.89 3337.11,1799.9 3754.9,1799.9 3754.9,20.1 20.1,20.1 20.1,3529.9 454.9,3529.9
5V on Power (split plane): 3754.9,1810.1 3335,1810.1 3333.05,1809.71 3331.4,1808.6 3321.4,1798.6 3320.29,1796.95 3319.9,1795 3319.9,1605.1 3155.1,1605.1 3155.1,1768.12 3155.1,1882.5 3155.1,2747.5 3155.1,2911.88 3155.1,3090.62 3155.1,3205 3155.1,3230 3154.71,3231.95 3153.6,3233.6 3151.95,3234.71 3150,3235.1 1860.1,3235.1 1860.1,3325 1859.71,3326.95 1858.6,3328.6 1856.95,3329.71 1855,3330.1 465.1,3330.1 465.1,3529.9 3754.9,3529.9
5V on Power (split plane): 3044.9,1622.11 2831.4,1408.6 2830.29,1406.95 2829.9,1405 2829.9,215.1 2700.1,215.1 2700.1,661 2699.71,662.95 2698.6,664.6 2696.95,665.71 2695,666.1 2693.05,665.71 2691.4,664.6 2688.89,662.1 2607,662.1 2605.05,661.71 2603.4,660.6 2582.89,640.1 755.1,640.1 755.1,827 755.1,1134.9 1969.4,1134.9 1969.4,830 1969.79,828.05 1970.9,826.4 1972.55,825.29 1974.5,824.9 2400,824.9 2401.95,825.29 2403.6,826.4 2404.71,828.05 2405.1,830 2405.1,1119.9 2695,1119.9 2696.95,1120.29 2698.6,1121.4 2699.71,1123.05 2700.1,1125 2700.1,1417.89 2720.79,1438.58 2765.17,1482.96 2787.35,1505.15 2787.36,1505.15 2831.73,1549.52 2832.83,1551.17 2833.22,1553.12 2833.22,1701.01 2877.11,1744.9 3044.9,1744.9
V_BAT on Power (split plane): 3144.9,3205 3144.9,3090.62 3144.9,2911.88 3144.9,2747.5 3144.9,1882.5 3144.9,1768.12 3144.9,1539.38 3144.9,1400 3145.29,1398.05 3146.4,1396.4 3148.05,1395.29 3150,1394.9 3644.9,1394.9 3644.9,805.1 3430.1,805.1 3430.1,1200 3429.71,1201.95 3428.6,1203.6 3426.95,1204.71 3425,1205.1 3055.1,1205.1 3055.1,2855 3054.71,2856.95 3053.6,2858.6 2993.6,2918.6 2991.95,2919.71 2990,2920.1 2252.11,2920.1 2178.6,2993.6 2025.1,3147.11 2025.1,3224.9 3144.9,3224.9
GND on GND (split plane): 3754.9,20.1 20.1,20.1 20.1,3529.9 3754.9,3529.9

## Other copper
Bottom Layer:
  region: 2985,237
  region: 2985,237
  region: 2985,237
  region: 2985,237
  region: 2985,237
  region: 2985,237
  region: 2985,237
  region: 2985,237
  region: 2985,237
  region: 2985,237
  region: 2985,237
  region: 2985,237
  region: 2985,237
  region: 2985,237
  region: 2985,237
  region: 2985,237
  region: 2985,237
  region: 2985,237
  region: 2985,237
  region: 2985,237
  region: 2985,237
  region: 2985,237
  region: 2985,237
  region: 2985,237
Power (plane layer: these items are gaps in the copper):
  lines w10: 460,3550 460,3325 1855,3325 1855,3230 3150,3230 3150,3205 3150,3090.62 3150,2911.88 3150,2747.5 3150,1882.5 3150,1768.12 3150,1539.38 3150,1400 3650,1400 3650,800 3425,800 3425,1200 3050,1200 3050,2855 2990,2915 2250,2915 2175,2990 2020,3145 2020,3225 ; 3050,1620 2835,1405 2835,210 2695,210 2695,661 2691,657 2607,657 2585,635 750,635 750,827 750,1140 1742,1140 1974.5,1140 1974.5,830 2400,830 2400,1125 2695,1125 2695,1420 2717.19,1442.19 2761.56,1486.56 2783.75,1508.75 2828.12,1553.12 2828.12,1703.12 2875,1750 3050,1750 ; 3155,1600 3325,1600 3325,1795 3335,1805 3775,1805

## Silkscreen, mask and mechanical layers (free items; w line width, h text height)
Mechanical 1:
  the board outline again, w10

## Text inside footprints (layer, text, board x,y; h text height)
D1: Top Overlay "K" at 1152.82,1648.62 h40 r180
D3: Top Overlay "K" at 2022.38,3022.82 h40 r270
D4: Top Overlay "K" at 2572.38,3380.3 h40 r270
D5: Top Overlay "K" at 2202.38,3082.82 h40 r270
J3: Mechanical 13 "1" at 3071.42,3374.53 h32 r180; Mechanical 13 "PCB edge" at 3043.86,3529.25 h16 r180; Top Overlay "1" at 3071.42,3374.53 h32 r180
U10: Mechanical 13 "*" at 874,3394 h50
U14: Mechanical 13 "*" at 2722.5,561 h50 r90